# Altium PCB PCB1.pcbdoc (part 1 of 4) (continued)
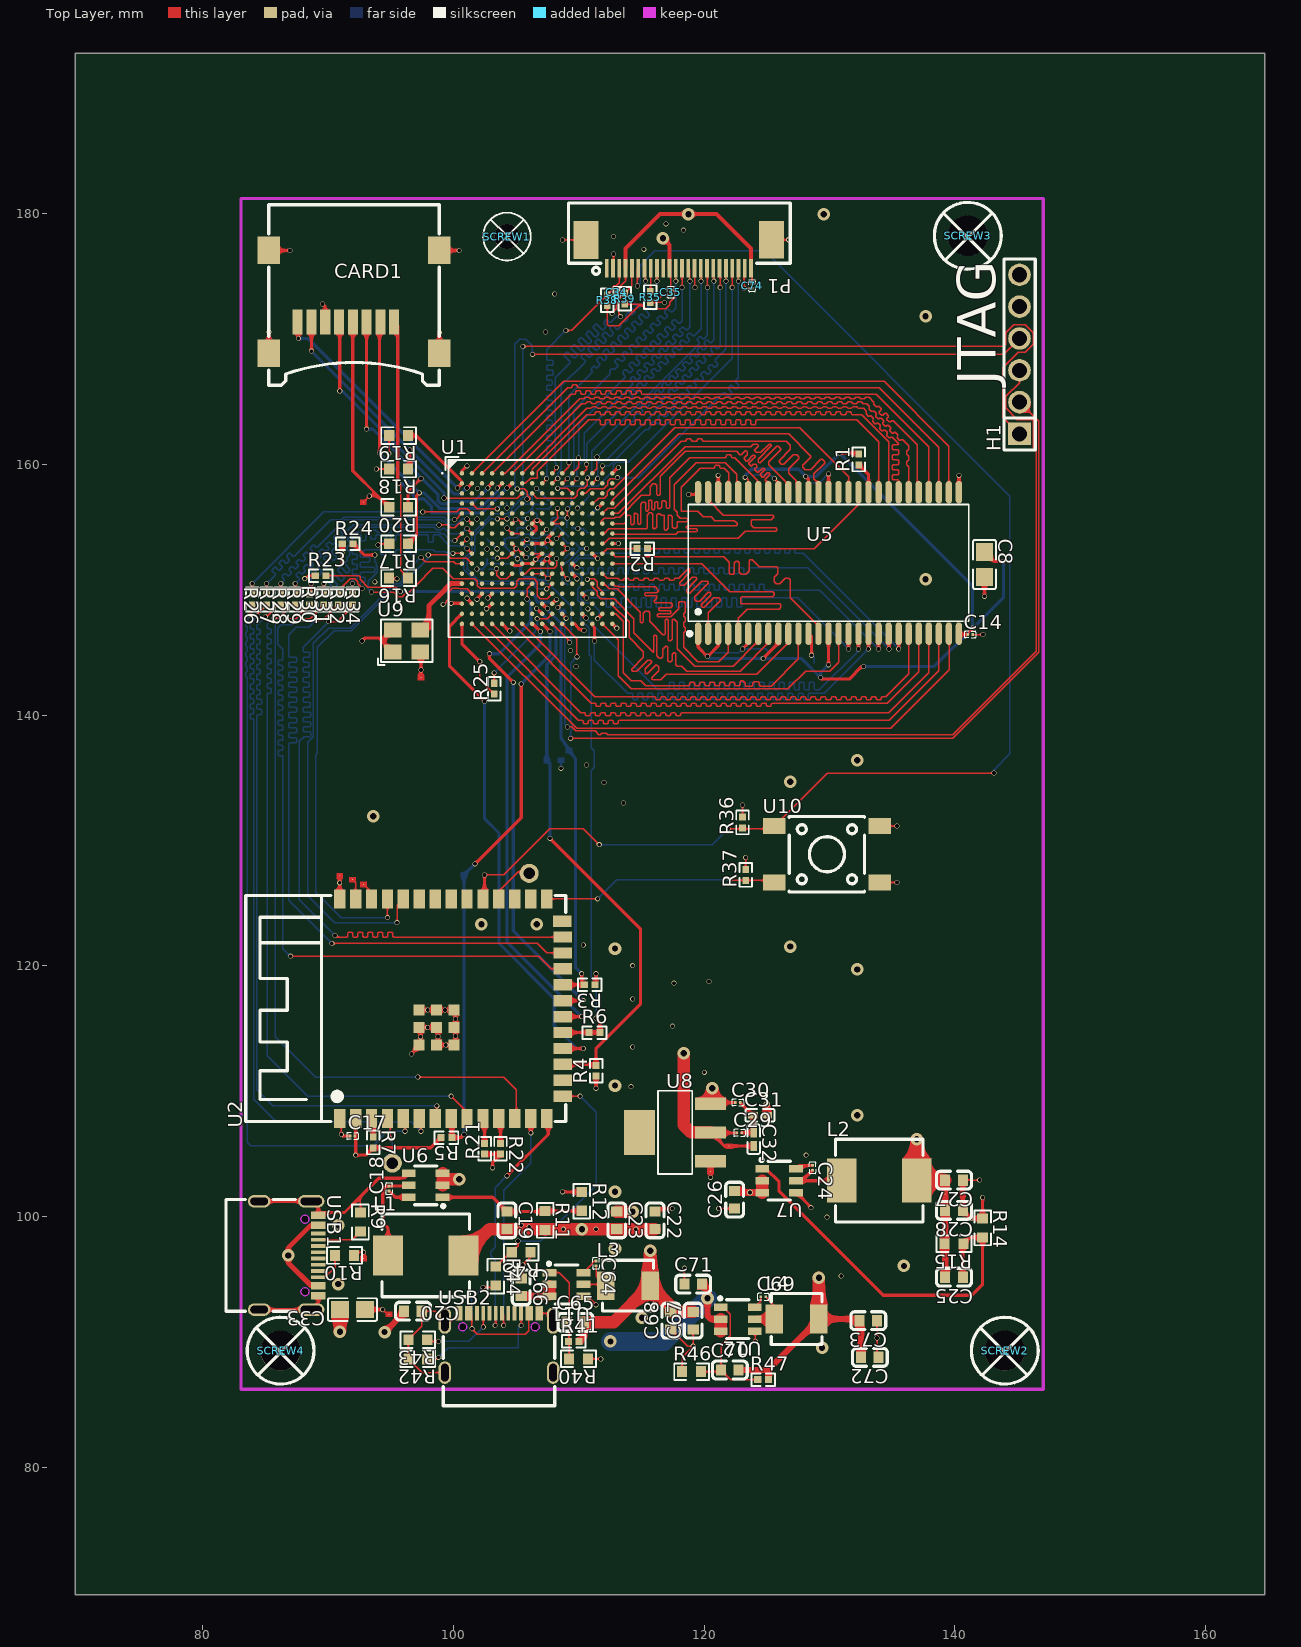
[diagram p0: Top Layer view]
## Components (designator, comment, footprint, x,y, rotation, side; value= is the part's Value field where it differs from the comment) (continued)
R5 "0402WGF1002TCE" R0402 99.441,106.299 r180 top
R6 "0402WGF330JTCE" R0402 111.252,114.681 r0 top
R7 "0402WGF1002TCE" R0402 93.599,105.918 r270 top
R9 "0603WAF5101T5E" R0603 92.583,99.568 r270 top
R10 "0603WAF5101T5E" R0603 91.313,96.901 r180 top
R11 "FRC0603F1963TS" R0603 107.315,99.695 r270 top
R12 "FRC0603F6202TS" R0603 110.236,101.219 r270 top
R14 "FRC0603F6202TS" R0603 142.219,99.099 r270 top
R15 "0603WAF2322T5E" R0603 139.933,97.829 r180 top
R16 "FRC0603F6202TS" R0603 95.627,150.952 r180 top
R17 "FRC0603F6202TS" R0603 95.631,153.67 r180 top
R18 "FRC0603F6202TS" R0603 95.631,159.639 r180 top
R19 "FRC0603F6202TS" R0603 95.631,162.306 r180 top
R20 "FRC0603F6202TS" R0603 95.631,156.591 r180 top
R21 "0402WGF1002TCE" R0402 102.489,105.41 r270 top
R22 "0402WGF1002TCE" R0402 103.759,105.41 r270 top
R23 "0402WGF1002TCE" R0402 89.408,151.13 r0 top
R24 "0402WGF1002TCE" R0402 91.567,153.67 r0 top
R25 "0402WGF1002TCE" R0402 103.251,142.113 r90 top
R26 "0402WGF330JTCE" R0402 83.947,149.225 r270 top
R27 "0402WGF330JTCE" R0402 85.09,149.225 r270 top
R28 "0402WGF330JTCE" R0402 86.233,149.225 r270 top
R29 "0402WGF330JTCE" R0402 87.376,149.225 r270 top
R30 "0402WGF330JTCE" R0402 88.519,149.225 r270 top
R31 "0402WGF330JTCE" R0402 89.662,149.225 r270 top
R32 "0402WGF330JTCE" R0402 90.805,149.225 r270 top
R34 "0402WGF330JTCE" R0402 91.948,149.225 r270 top
R35 "0402WGF1002TCE" R0402 115.697,173.355 r270 top
R36 "0402WGF1002TCE" R0402 123.063,131.445 r90 top
R37 "0402WGF1002TCE" R0402 123.317,127.254 r90 top
R38 "0402WGF1002TCE" R0402 112.268,173.101 r270 top
R39 "0402WGF1002TCE" R0402 113.665,173.228 r270 top
R40 "FRC0603F6202TS" R0603 109.982,88.646 r180 top
R41 "RC0402FR-07130KL" R0402 109.601,90.043 r0 top
R42 "0603WAF5101T5E" R0603 97.155,88.646 r180 top
R43 "0603WAF5101T5E" R0603 97.155,90.17 r180 top
R44 "FRC0603F1963TS" R0603 103.378,95.25 r270 top
R45 "FRC0603F1963TS" R0603 105.41,97.155 r180 top
R46 "FRC0603F6202TS" R0603 118.999,87.63 r0 top
R47 "0402WGF1543TCE" R0402 124.714,86.995 r0 top
SCREW1 "Screw-Hole-M2" Screw-Hole-M2 104.267,178.181 r0 top
SCREW2 "Screw-Hole-M3" Screw-Hole-M3 144.045,89.239 r0 top
SCREW3 "Screw-Hole-M3" Screw-Hole-M3 141.097,178.181 r0 top
SCREW4 "Screw-Hole-M3" Screw-Hole-M3 86.275,89.239 r0 top
U1 "LFE5U-25F-6BG256C" CABGA-256_L14.0-W14.0-R16-C16-P0.80-TL 106.68,153.289 r0 top
U2 "ESP32-S3-WROOM-1-N16R2" WIRELM-SMD_ESP32-S3-WROOM-1 99.822,116.586 r90 top
U5 "W9825G6KH-6" TSOP-54_L22.2-W10.2-P0.80-LS11.8-BL 129.921,152.146 r0 top
U6 "AP63200WU-7" SOT-23-6_L2.9-W1.6-P0.95-LS2.8-BR 97.79,102.489 r0 top
U7 "AP63200WU-7" SOT-23-6_L2.9-W1.6-P0.95-LS2.8-BR 125.984,102.87 r180 top
U8 "AMS1117-1.8_C6185" SOT-223-4_L6.5-W3.5-P2.30-LS7.0-BR 117.682,106.709 r0 top
U9 "XOS32024000LT00351005" OSC-SMD_4P-L3.2-W2.5-BL 96.266,145.923 r0 top
U10 "TPS645-5NC60" SW-SMD_4P-L6.0-W6.0-P4.50-LS9.2 129.794,128.905 r0 top
U11 "AP63200WU-7" SOT-23-6_L2.9-W1.6-P0.95-LS2.8-BR 109.019,94.587 r180 top
U12 "AP63200WU-7" SOT-23-6_L2.9-W1.6-P0.95-LS2.8-BR 122.682,91.821 r180 top
USB1 "TYPE-C16PIN" USB-C-SMD_TYPE-C16PIN#1 86.868,96.901 r270 top
USB2 "TYPE-C16PIN" USB-C-SMD_TYPE-C16PIN#2 103.632,89.916 r0 top

## Footprints (in the part's own frame and the unit in brackets; to place one, negate y for a bottom-side part, rotate by r counter-clockwise, add the part's x,y. Pads: shape width x height; smd on the part's side, far side on the other; paste and mask are expansions set on the pad)
C0402 [mm]
  rect 0.79x0.54 smd: 1(-0.545,0) 2(0.545,0)
  silkscreen extent -1.17,-0.5 1.17,0.5
C0603 [mm]
  rect 0.8x0.9 smd: 1(-0.7,0) 2(0.7,0)
  silkscreen extent -1.39,-0.71 1.39,0.71
C0805 [mm]
  rect 1.41x1.35 smd: 1(-1,0) 2(1,0)
  silkscreen extent -1.96,-0.9 1.96,0.9
C01005 [mm]
  rect 0.21x0.22 smd: 1(-0.195,0) 2(0.195,0)
  silkscreen extent -0.46,-0.27 0.46,0.27
CABGA-256_L14.0-W14.0-R16-C16-P0.80-TL [mm]
  round 0.36 smd: A1(-6,6) A2(-5.2,6) A3(-4.4,6) A4(-3.6,6) A5(-2.8,6) A6(-2,6) A7(-1.2,6) A8(-0.4,6) A9(0.4,6) A10(1.2,6) A11(2,6) A12(2.8,6) A13(3.6,6) A14(4.4,6) A15(5.2,6) A16(6,6) B1(-6,5.2) B2(-5.2,5.2) B3(-4.4,5.2) B4(-3.6,5.2) B5(-2.8,5.2) B6(-2,5.2) B7(-1.2,5.2) B8(-0.4,5.2) B9(0.4,5.2) B10(1.2,5.2) B11(2,5.2) B12(2.8,5.2) B13(3.6,5.2) B14(4.4,5.2) B15(5.2,5.2) B16(6,5.2) C1(-6,4.4) C2(-5.2,4.4) C3(-4.4,4.4) C4(-3.6,4.4) C5(-2.8,4.4) C6(-2,4.4) C7(-1.2,4.4) C8(-0.4,4.4) C9(0.4,4.4) C10(1.2,4.4) C11(2,4.4) C12(2.8,4.4) C13(3.6,4.4) C14(4.4,4.4) C15(5.2,4.4) C16(6,4.4) D1(-6,3.6) D2(-5.2,3.6) D3(-4.4,3.6) D4(-3.6,3.6) D5(-2.8,3.6) D6(-2,3.6) D7(-1.2,3.6) D8(-0.4,3.6) D9(0.4,3.6) D10(1.2,3.6) D11(2,3.6) D12(2.8,3.6) D13(3.6,3.6) D14(4.4,3.6) D15(5.2,3.6) D16(6,3.6) E1(-6,2.8) E2(-5.2,2.8) E3(-4.4,2.8) E4(-3.6,2.8) E5(-2.8,2.8) E6(-2,2.8) E7(-1.2,2.8) E8(-0.4,2.8) E9(0.4,2.8) E10(1.2,2.8) E11(2,2.8) E12(2.8,2.8) E13(3.6,2.8) E14(4.4,2.8) E15(5.2,2.8) E16(6,2.8) F1(-6,2) F2(-5.2,2) F3(-4.4,2) F4(-3.6,2) F5(-2.8,2) F6(-2,2) F7(-1.2,2) F8(-0.4,2) F9(0.4,2) F10(1.2,2) F11(2,2) F12(2.8,2) F13(3.6,2) F14(4.4,2) F15(5.2,2) F16(6,2) G1(-6,1.2) G2(-5.2,1.2) G3(-4.4,1.2) G4(-3.6,1.2) G5(-2.8,1.2) G6(-2,1.2) G7(-1.2,1.2) G8(-0.4,1.2) G9(0.4,1.2) G10(1.2,1.2) G11(2,1.2) G12(2.8,1.2) G13(3.6,1.2) G14(4.4,1.2) G15(5.2,1.2) G16(6,1.2) H1(-6,0.4) H2(-5.2,0.4) H3(-4.4,0.4) H4(-3.6,0.4) H5(-2.8,0.4) H6(-2,0.4) H7(-1.2,0.4) H8(-0.4,0.4) H9(0.4,0.4) H10(1.2,0.4) H11(2,0.4) H12(2.8,0.4) H13(3.6,0.4) H14(4.4,0.4) H15(5.2,0.4) H16(6,0.4) J1(-6,-0.4) J2(-5.2,-0.4) J3(-4.4,-0.4) J4(-3.6,-0.4) J5(-2.8,-0.4) J6(-2,-0.4) J7(-1.2,-0.4) J8(-0.4,-0.4) J9(0.4,-0.4) J10(1.2,-0.4) J11(2,-0.4) J12(2.8,-0.4) J13(3.6,-0.4) J14(4.4,-0.4) J15(5.2,-0.4) J16(6,-0.4) K1(-6,-1.2) K2(-5.2,-1.2) K3(-4.4,-1.2) K4(-3.6,-1.2) K5(-2.8,-1.2) K6(-2,-1.2) K7(-1.2,-1.2) K8(-0.4,-1.2) K9(0.4,-1.2) K10(1.2,-1.2) K11(2,-1.2) K12(2.8,-1.2) K13(3.6,-1.2) K14(4.4,-1.2) K15(5.2,-1.2) K16(6,-1.2) L1(-6,-2) L2(-5.2,-2) L3(-4.4,-2) L4(-3.6,-2) L5(-2.8,-2) L6(-2,-2) L7(-1.2,-2) L8(-0.4,-2) L9(0.4,-2) L10(1.2,-2) L11(2,-2) L12(2.8,-2) L13(3.6,-2) L14(4.4,-2) L15(5.2,-2) L16(6,-2) M1(-6,-2.8) M2(-5.2,-2.8) M3(-4.4,-2.8) M4(-3.6,-2.8) M5(-2.8,-2.8) M6(-2,-2.8) M7(-1.2,-2.8) M8(-0.4,-2.8) M9(0.4,-2.8) M10(1.2,-2.8) M11(2,-2.8) M12(2.8,-2.8) M13(3.6,-2.8) M14(4.4,-2.8) M15(5.2,-2.8) M16(6,-2.8) N1(-6,-3.6) N2(-5.2,-3.6) N3(-4.4,-3.6) N4(-3.6,-3.6) N5(-2.8,-3.6) N6(-2,-3.6) N7(-1.2,-3.6) N8(-0.4,-3.6) N9(0.4,-3.6) N10(1.2,-3.6) N11(2,-3.6) N12(2.8,-3.6) N13(3.6,-3.6) N14(4.4,-3.6) N15(5.2,-3.6) N16(6,-3.6) P1(-6,-4.4) P2(-5.2,-4.4) P3(-4.4,-4.4) P4(-3.6,-4.4) P5(-2.8,-4.4) P6(-2,-4.4) P7(-1.2,-4.4) P8(-0.4,-4.4) P9(0.4,-4.4) P10(1.2,-4.4) P11(2,-4.4) P12(2.8,-4.4) P13(3.6,-4.4) P14(4.4,-4.4) P15(5.2,-4.4) P16(6,-4.4) R1(-6,-5.2) R2(-5.2,-5.2) R3(-4.4,-5.2) R4(-3.6,-5.2) R5(-2.8,-5.2) R6(-2,-5.2) R7(-1.2,-5.2) R8(-0.4,-5.2) R9(0.4,-5.2) R10(1.2,-5.2) R11(2,-5.2) R12(2.8,-5.2) R13(3.6,-5.2) R14(4.4,-5.2) R15(5.2,-5.2) R16(6,-5.2) T1(-6,-6) T2(-5.2,-6) T3(-4.4,-6) T4(-3.6,-6) T5(-2.8,-6) T6(-2,-6) T7(-1.2,-6) T8(-0.4,-6) T9(0.4,-6) T10(1.2,-6) T11(2,-6) T12(2.8,-6) T13(3.6,-6) T14(4.4,-6) T15(5.2,-6) T16(6,-6)
  silkscreen extent -7.63,-7.08 7.08,7.3
FPC-SMD_AFC07-S24FCC-00 [mm]
  rect 0.3x1.5 smd: 1(5.745,1.129) 2(5.245,1.129) 3(4.746,1.129) 4(4.245,1.129) 5(3.746,1.129) 6(3.245,1.129) 7(2.746,1.129) 8(2.245,1.129) 9(1.746,1.129) 10(1.245,1.129) 11(0.746,1.129) 12(0.245,1.129) 13(-0.254,1.129) 14(-0.755,1.129) 15(-1.251,1.13) 16(-1.754,1.13) 17(-2.254,1.128) 18(-2.754,1.129) 19(-3.254,1.129) 20(-3.756,1.132) 21(-4.256,1.132) 22(-4.756,1.132) 23(-5.256,1.132) 24(-5.756,1.132)
  rect 2x3 smd: 25(-7.401,-1.132) 26(7.401,-1.125)
  silkscreen extent -8.89,-4.07 8.8,1.61
HDR-TH_6P-P2.54-V-M-1 [mm]
  rect 1.8x1.8 hole 1.2: 1(-6.35,0)
  round 1.8 hole 1.2: 2(-3.81,0) 3(-1.27,0) 4(1.27,0) 5(3.81,0) 6(6.35,0)
  silkscreen extent -7.62,-1.25 7.62,1.25
IND-SMD_L4.5-W4.1_SL0420 [mm]
  rect 1.4x2.3 smd: 1(-1.775,0) 2(1.775,0)
  silkscreen extent -2.03,-2.03 2.03,2.03
IND-SMD_L7.0-W6.6 [mm]
  rect 2.4x3.2 smd: 1(-3,0) 2(3,0)
  silkscreen extent -3.5,-3.3 3.5,3.3
IND-SMD_L7.3-W6.8 [mm]
  rect 2.35x3.5 smd: 1(-3,0) 2(3,0)
  silkscreen extent -3.5,-3.3 3.5,3.3
OSC-SMD_4P-L3.2-W2.5-BL [mm]
  rect 1.4x1.2 smd: 1(-1.1,-0.875) 2(1.1,-0.875) 3(1.1,0.875) 4(-1.1,0.875)
  silkscreen extent -2.29,-1.9 2.07,1.72
R0402 [mm]
  rect 0.566x0.54 smd: 1(-0.433,0) 2(0.433,0)
  silkscreen extent -0.94,-0.5 0.94,0.5
R0603 [mm]
  rect 0.806x0.864 smd: 1(-0.753,0) 2(0.753,0)
  silkscreen extent -1.39,-0.66 1.39,0.66
Screw-Hole-M2 [mm]
  round 2 hole 2: 1(0,0)
  silkscreen extent -1.9,-1.9 1.9,1.9
Screw-Hole-M3 [mil]
  round 126 hole 126: 1(-2.5,2.5)
  silkscreen extent -107,-102 102,107
SOT-23-6_L2.9-W1.6-P0.95-LS2.8-BR [mm]
  rect 1.1x0.6 smd: 1(1.35,-0.95) 2(1.35,0) 3(1.35,0.95) 4(-1.35,0.95) 5(-1.35,0) 6(-1.35,-0.95)
  silkscreen extent -0.9,-1.78 1.52,1.55
SOT-223-4_L6.5-W3.5-P2.30-LS7.0-BR [mm]
  rect 2.47x0.98 smd: 1(2.835,-2.3) 2(2.835,0) 3(2.835,2.3)
  rect 2.47x3.6 smd: 4(-2.835,0)
  silkscreen extent -1.37,-3.33 1.37,3.33
SW-SMD_4P-L6.0-W6.0-P4.50-LS9.2 [mm]
  rect 1.8x1.3 smd: 1(-4.2,2.25) 2(4.2,2.25) 3(-4.2,-2.25) 4(4.2,-2.25)
  silkscreen extent -3,-3 3,3
TF-SMD_DS1139-06-08SS4BSR [mm]
  rect 0.8x2 smd: 1(3.2,-1.6) 2(2.1,-1.6) 3(1,-1.6) 4(-0.1,-1.6) 5(-1.2,-1.6) 6(-2.3,-1.6) 7(-3.4,-1.6) 8(-4.5,-1.6)
  rect 1.8x2.2 smd: 9(-6.8,4.1) 10(-6.8,-4.1) 11(6.8,-4.1) 12(6.8,4.1)
  silkscreen extent -6.8,-6.65 6.8,7.75
TSOP-54_L22.2-W10.2-P0.80-LS11.8-BL [mm]
  oval 0.5x1.8 smd: 1(-10.4,-5.642) 2(-9.6,-5.642) 3(-8.8,-5.642) 4(-8,-5.642) 5(-7.2,-5.642) 6(-6.4,-5.642) 7(-5.6,-5.642) 8(-4.8,-5.642) 9(-4,-5.642) 10(-3.2,-5.642) 11(-2.4,-5.642) 12(-1.6,-5.642) 13(-0.8,-5.642) 14(0,-5.642) 15(0.8,-5.642) 16(1.6,-5.642) 17(2.4,-5.642) 18(3.2,-5.642) 19(4,-5.642) 20(4.8,-5.642) 21(5.6,-5.642) 22(6.4,-5.642) 23(7.2,-5.642) 24(8,-5.642) 25(8.8,-5.642) 26(9.6,-5.642) 27(10.4,-5.642) 28(10.4,5.642) 29(9.6,5.642) 30(8.8,5.642) 31(8,5.642) 32(7.2,5.642) 33(6.4,5.642) 34(5.6,5.642) 35(4.8,5.642) 36(4,5.642) 37(3.2,5.642) 38(2.4,5.642) 39(1.6,5.642) 40(0.8,5.642) 41(0,5.642) 42(-0.8,5.642) 43(-1.6,5.642) 44(-2.4,5.642) 45(-3.2,5.642) 46(-4,5.642) 47(-4.8,5.642) 48(-5.6,5.642) 49(-6.4,5.642) 50(-7.2,5.642) 51(-8,5.642) 52(-8.8,5.642) 53(-9.6,5.642) 54(-10.4,5.642)
  silkscreen extent -11.23,-5.79 11.19,4.65
USB-C-SMD_TYPE-C16PIN#1 [mm]
  oval 1x2.1 hole 0.6 slot 1.7 at 90 deg: 1(-4.32,1.787) 2(4.32,1.787)
  oval 1x1.8 hole 0.6 slot 1.4 at 90 deg: 3(-4.32,-2.362) 4(4.32,-2.362)
  rect 0.6x1.15 smd: A1B12(-3.2,2.362) A4B9(-2.4,2.362) B1A12(3.2,2.362) B4A9(2.4,2.362)
  rect 0.3x1.15 smd: A5(-1.25,2.362) A6(-0.25,2.362) A7(0.25,2.362) A8(1.25,2.362) B5(1.75,2.362) B6(0.75,2.362) B7(-0.75,2.362) B8(-1.75,2.362)
  Board Outline Layer circle w0.005: c2.89,1.288 r0.325
  Board Outline Layer circle w0.005: c-2.89,1.288 r0.325
  Board Outline Layer region: 2.89,1.613 3.031,1.581 3.144,1.491 3.207,1.36 3.207,1.216 3.144,1.085 3.031,0.995 2.89,0.963 2.89,0.963 2.749,0.995 2.636,1.085 2.573,1.216 2.573,1.36 2.636,1.491 2.749,1.581 2.89,1.613
  Board Outline Layer region: -2.89,1.613 -2.749,1.581 -2.636,1.491 -2.573,1.36 -2.573,1.216 -2.636,1.085 -2.749,0.995 -2.89,0.963 -2.89,0.963 -3.031,0.995 -3.144,1.085 -3.207,1.216 -3.207,1.36 -3.144,1.491 -3.031,1.581 -2.89,1.613
  Multi-Layer board cut-out: 2.89,1.613 3.031,1.581 3.144,1.491 3.207,1.36 3.207,1.216 3.144,1.085 3.031,0.995 2.89,0.963 2.89,0.963 2.749,0.995 2.636,1.085 2.573,1.216 2.573,1.36 2.636,1.491 2.749,1.581 2.89,1.613
  Multi-Layer board cut-out: -2.89,1.613 -2.749,1.581 -2.636,1.491 -2.573,1.36 -2.573,1.216 -2.636,1.085 -2.749,0.995 -2.89,0.963 -2.89,0.963 -3.031,0.995 -3.144,1.085 -3.207,1.216 -3.207,1.36 -3.144,1.491 -3.031,1.581 -2.89,1.613
  silkscreen extent -4.45,-5 4.45,0.52
USB-C-SMD_TYPE-C16PIN#2 [mm]
  oval 1x2.1 hole 0.6 slot 1.7 at 90 deg: 1(-4.32,1.787) 2(4.32,1.787)
  oval 1x1.8 hole 0.6 slot 1.4 at 90 deg: 3(-4.32,-2.362) 4(4.32,-2.362)
  rect 0.6x1.15 smd: A1B12(-3.2,2.362) A4B9(-2.4,2.362) B1A12(3.2,2.362) B4A9(2.4,2.362)
  rect 0.3x1.15 smd: A5(-1.25,2.362) A6(-0.25,2.362) A7(0.25,2.362) A8(1.25,2.362) B5(1.75,2.362) B6(0.75,2.362) B7(-0.75,2.362) B8(-1.75,2.362)
  Board Outline Layer circle w0.005: c2.89,1.288 r0.325
  Board Outline Layer circle w0.005: c-2.89,1.288 r0.325
  Board Outline Layer region: 3.215,1.288 3.183,1.147 3.093,1.034 2.962,0.971 2.818,0.971 2.687,1.034 2.597,1.147 2.565,1.288 2.565,1.288 2.597,1.429 2.687,1.542 2.818,1.605 2.962,1.605 3.093,1.542 3.183,1.429 3.215,1.288
  Board Outline Layer region: -2.565,1.288 -2.597,1.147 -2.687,1.034 -2.818,0.971 -2.962,0.971 -3.093,1.034 -3.183,1.147 -3.215,1.288 -3.215,1.288 -3.183,1.429 -3.093,1.542 -2.962,1.605 -2.818,1.605 -2.687,1.542 -2.597,1.429 -2.565,1.288
  Multi-Layer board cut-out: 3.215,1.288 3.183,1.147 3.093,1.034 2.962,0.971 2.818,0.971 2.687,1.034 2.597,1.147 2.565,1.288 2.565,1.288 2.597,1.429 2.687,1.542 2.818,1.605 2.962,1.605 3.093,1.542 3.183,1.429 3.215,1.288
  Multi-Layer board cut-out: -2.565,1.288 -2.597,1.147 -2.687,1.034 -2.818,0.971 -2.962,0.971 -3.093,1.034 -3.183,1.147 -3.215,1.288 -3.215,1.288 -3.183,1.429 -3.093,1.542 -2.962,1.605 -2.818,1.605 -2.687,1.542 -2.597,1.429 -2.565,1.288
  silkscreen extent -4.45,-5 4.45,0.52
WIRELM-SMD_ESP32-S3-WROOM-1 [mm]
  rect 1.5x0.9 smd: 1(-8.75,8.895) 2(-8.75,7.625) 3(-8.75,6.355) 4(-8.75,5.085) 5(-8.75,3.815) 6(-8.75,2.545) 7(-8.75,1.275) 8(-8.75,0.005) 9(-8.75,-1.265) 10(-8.75,-2.535) 11(-8.75,-3.805) 12(-8.75,-5.075) 13(-8.75,-6.345) 14(-8.75,-7.615) 27(8.75,-7.615) 28(8.75,-6.345) 29(8.75,-5.075) 30(8.75,-3.805) 31(8.75,-2.535) 32(8.75,-1.265) 33(8.75,0.005) 34(8.75,1.275) 35(8.75,2.545) 36(8.75,3.815) 37(8.75,5.085) 38(8.75,6.355) 39(8.75,7.625) 40(8.75,8.895)
  rect 0.9x1.5 smd: 15(-6.985,-8.895) 16(-5.715,-8.895) 17(-4.445,-8.895) 18(-3.175,-8.895) 19(-1.905,-8.895) 20(-0.635,-8.895) 21(0.635,-8.895) 22(1.905,-8.895) 23(3.175,-8.895) 24(4.445,-8.895) 25(5.715,-8.895) 26(6.985,-8.865)
  rect 0.9x0.9 smd: 41(-2.9,-0.225) 41(-2.9,1.175) 41(-2.9,2.575) 41(-1.5,2.575) 41(-1.5,-0.225) 41(-1.5,1.175) 41(-0.1,2.575) 41(-0.1,1.175) 41(-0.1,-0.225)
  silkscreen extent -9,-9.14 9.02,16.39

## Free pads (board coordinates)
  round 1.524 hole 0.914: 1(95.123,104.267) 1(106.045,127.381)
  round 0.08 smd: 55(90.927,127.195) 55(91.948,126.873) 55(92.806,156.993) 55(92.837,96.647) 55(92.837,126.492) 55(94.869,92.202) 55(97.409,143.002) 55(120.517,103.597) 55(121.997,105.627) 55(139.233,101.796) 55(140.633,101.756)
  round 0.08 smd far side: 55(100.838,127.254) 55(107.442,136.377) 55(108.585,136.398) 55(108.712,148.209) 55(109.22,137.16)

## Via types
v1: diameter 0.4, hole 0.3, Top Layer to Bottom Layer, 308 vias
v2: diameter 1, hole 0.5, Top Layer to Bottom Layer, 35 vias
v3: diameter 0.5, hole 0.3, Top Layer to Bottom Layer, 2 vias

## Nets (pads, with @x,y where several pads share a name; then routed paths per layer and width w, separated by ;. In a path a pad name is that pad's centre, name@x,y a point inside that pad or via, vN(x,y) a via of type N, cw(c..) or ccw(c..) an arc to the next point about the centre after c; other vN are vias at no path point)
$1N9437: R1.1 U5.37 | length 2.5
  Top Layer w0.254: R1.1@132.334,159.968 133.121,159.181 U5.37@133.121,157.788
$1N11348: R2.1 U5.38 | length 19.3
  Top Layer w0.1: R2.1@115.495,153.289 128.778,153.289 132.334,156.845 132.334,157.775 U5.38@132.321,157.788
$1N11975: R7.1 U2.3 | length 1.5
  Top Layer w0.254: U2.3@93.594,107.836 93.599,107.831 R7.1@93.599,106.351
$1N12553: R10.2 USB1.B5 | length 2.6
  Top Layer w0.1: USB1.B5@89.23,95.151 89.741,95.151 90.56,95.97 R10.2@90.56,96.901
$1N12557: R9.2 USB1.A5 | length 3.6
  Top Layer w0.1: USB1.A5@89.23,98.151 91.919,98.151 R9.2@92.583,98.815
$1N14416: C18.2 L1.1 U6.5 | length 7.6
  Top Layer w0.254: L1.1@94.79,96.901 94.79,99.06 94.361,99.489 94.361,102.141 94.643,102.424 94.863,102.424 C18.2@94.869,102.43 96.381,102.43 U6.5@96.44,102.489
$1N14459: C18.1 U6.6 | length 1.8
  Top Layer w0.254: C18.1@94.869,102.04 95.37,101.539 U6.6@96.44,101.539
$1N14567: C19.1 R11.1 R12.2 U6.1 | length 11.6
  Top Layer w0.254: U6.1@99.14,101.539 103.123,101.539 C19.1@104.267,100.395 107.262,100.395 R11.1@107.315,100.448 110.219,100.448 R12.2@110.236,100.466
$1N16832: C24.2 L2.1 U7.5 | length 5.3
  Top Layer w0.254: C24.2@128.651,103.691 127.83,102.87 U7.5@127.334,102.87 127.34,102.864 L2.1@130.969,102.864
$1N16833: C24.1 U7.6 | length 1.4
  Top Layer w0.254: U7.6@127.334,103.82 127.589,104.075 128.645,104.075 C24.1@128.651,104.081
$1N16834: C25.1 R14.2 R15.1 U7.1 | length 30.7
  Top Layer w0.254: U7.1@124.634,103.82 124.929,103.82 125.984,102.765 125.984,102.025 134.283,93.726 141.351,93.726 142.219,94.594 R14.2@142.219,98.346 141.203,98.346 R15.1@140.687,97.829 140.633,97.776 C25.1@140.633,95.162
$1N17349: C29.2 C30.2 C31.1 C32.1 | length 3.8
  Top Layer w0.254: C30.2@122.877,109.093 123.952,108.018 C32.1@123.952,106.717 123.041,106.717 C29.2@123.004,106.68
$1N29790: R26.2 U2.5 | length 57.9
  Top Layer w0.1: v1(83.685,147.955) 83.947,148.217 R26.2@83.947,148.792 ; U2.5@96.134,107.836 96.139,107.831 v1(96.139,106.807)
  Bottom Layer w0.1: v1(83.685,147.955) 83.566,147.836 83.566,147.523 83.437,147.395 83.437,147.123 83.566,146.995 83.566,146.723 83.437,146.595 83.437,146.323 83.566,146.195 83.566,145.923 83.437,145.795 83.437,145.523 83.566,145.395 83.566,145.123 83.437,144.995 83.437,144.723 83.566,144.595 83.566,144.323 83.437,144.195 83.437,143.923 83.566,143.795 83.566,143.523 83.437,143.395 83.437,143.123 83.566,142.995 83.566,105.918 83.82,105.664 93.598,105.664 94.741,106.807 v1(96.139,106.807)
$1N29833: R27.2 U2.6 | length 59.2
  Top Layer w0.1: v1(84.364,147.919) 84.364,148.066 R27.2@85.09,148.792 ; v1(97.404,106.807) U2.6@97.404,107.836
  Bottom Layer w0.1: v1(84.364,147.919) 84.074,147.629 84.074,147.358 84.003,147.287 83.866,147.287 83.795,147.217 83.795,146.958 83.866,146.887 84.003,146.887 84.074,146.817 84.074,146.558 84.003,146.487 83.866,146.487 83.795,146.417 83.795,146.158 83.866,146.087 84.003,146.087 84.074,146.017 84.074,145.758 84.003,145.687 83.866,145.687 83.795,145.617 83.795,145.358 83.866,145.287 84.003,145.287 84.074,145.217 84.074,144.958 84.003,144.887 83.866,144.887 83.795,144.817 83.795,144.558 83.866,144.487 84.003,144.487 84.074,144.417 84.074,144.158 84.003,144.087 83.866,144.087 83.795,144.017 83.795,143.758 83.866,143.687 84.003,143.687 84.074,143.617 84.074,143.358 84.003,143.287 83.866,143.287 83.795,143.217 83.795,142.958 83.866,142.887 84.003,142.887 84.074,142.817 84.074,142.558 84.003,142.487 83.866,142.487 83.795,142.417 83.795,142.158 83.866,142.087 84.003,142.087 84.074,142.017 84.074,141.794 84.003,141.723 83.866,141.723 83.795,141.653 83.795,141.394 83.866,141.323 84.003,141.323 84.074,141.253 84.074,140.994 84.003,140.923 83.866,140.923 83.795,140.853 83.795,140.594 83.866,140.523 84.003,140.523 84.074,140.453 84.074,140.194 84.003,140.123 83.866,140.123 83.795,140.053 83.795,139.794 83.866,139.723 84.003,139.723 84.074,139.653 84.074,109.347 85.852,107.569 96.642,107.569 v1(97.404,106.807)
$1N29916: R29.2 U2.9 | length 59.1
  Top Layer w0.1: v1(85.675,147.751) 86.03,147.751 87.072,148.792 R29.2@87.376,148.792 ; v1(99.822,109.601) 101.214,108.209 U2.9@101.214,107.836
  Bottom Layer w0.1: v1(85.675,147.751) 85.473,147.549 85.417,147.549 85.144,147.276 85.144,146.979 85.215,146.909 85.4,146.909 85.471,146.838 85.471,146.579 85.4,146.509 85.215,146.509 85.144,146.438 85.144,146.179 85.215,146.109 85.4,146.109 85.471,146.038 85.471,145.779 85.4,145.709 85.215,145.709 85.144,145.638 85.144,145.379 85.215,145.309 85.4,145.309 85.471,145.238 85.471,144.979 85.4,144.909 85.215,144.909 85.144,144.838 85.144,144.579 85.215,144.509 85.4,144.509 85.471,144.438 85.471,144.179 85.4,144.109 85.215,144.109 85.144,144.038 85.144,143.779 85.215,143.709 85.4,143.709 85.471,143.638 85.471,143.379 85.4,143.309 85.215,143.309 85.144,143.238 85.144,143.024 85.215,142.954 85.4,142.954 85.471,142.883 85.471,142.624 85.4,142.554 85.215,142.554 85.144,142.483 85.144,142.224 85.215,142.154 85.4,142.154 85.471,142.083 85.471,141.824 85.4,141.754 85.215,141.754 85.144,141.683 85.144,112.849 88.392,109.601 v1(99.822,109.601)
$1N29959: R30.2 U2.12 | length 59.5
  Top Layer w0.1: v1(86.614,147.701) 87.428,147.701 R30.2@88.519,148.792 ; v1(97.155,111.125) 104.013,111.125 105.024,110.114 U2.12@105.024,107.836
  Bottom Layer w0.1: v1(86.614,147.701) 86.194,147.701 85.842,147.349 85.842,147.339 85.798,147.295 85.798,114.354 89.027,111.125 v1(97.155,111.125)
$1N30002: R31.2 U2.23 | length 58.9
  Top Layer w0.1: v1(86.995,120.777) 106.807,120.777 107.823,119.761 U2.23@108.717,119.761 ; v1@87.884,147.701 88.571,147.701 R31.2@89.662,148.792
  Bottom Layer w0.1: v1(86.995,120.777) 86.399,121.373 86.399,136.711 86.328,136.782 86.098,136.782 86.027,136.852 86.027,137.111 86.098,137.182 86.328,137.182 86.399,137.252 86.399,137.511 86.328,137.582 86.098,137.582 86.027,137.652 86.027,137.911 86.098,137.982 86.328,137.982 86.399,138.052 86.399,138.311 86.328,138.382 86.098,138.382 86.027,138.452 86.027,138.711 86.098,138.782 86.328,138.782 86.399,138.852 86.399,139.111 86.328,139.182 86.098,139.182 86.027,139.252 86.027,139.511 86.098,139.582 86.328,139.582 86.399,139.652 86.399,139.911 86.328,139.982 86.098,139.982 86.027,140.052 86.027,140.311 86.098,140.382 86.328,140.382 86.399,140.452 86.399,140.711 86.328,140.782 86.098,140.782 86.027,140.852 86.027,141.111 86.098,141.182 86.328,141.182 86.399,141.252 86.399,141.511 86.328,141.582 86.098,141.582 86.027,141.652 86.027,141.911 86.098,141.982 86.328,141.982 86.399,142.052 86.399,142.311 86.328,142.382 86.098,142.382 86.027,142.452 86.027,142.711 86.098,142.782 86.328,142.782 86.399,142.852 86.399,143.111 86.328,143.182 86.098,143.182 86.027,143.252 86.027,143.511 86.098,143.582 86.328,143.582 86.399,143.652 86.399,143.911 86.328,143.982 86.098,143.982 86.027,144.052 86.027,144.311 86.098,144.382 86.328,144.382 86.399,144.452 86.399,145.249 85.998,145.65 85.998,146.933 86.277,147.212 87.126,147.212 87.559,147.645 v1(87.94,147.645)
$1N30085: R34.2 U2.25 | length 59.4
  Top Layer w0.1: v1@90.043,147.447 90.73,147.447 91.948,148.665 R34.2@91.948,148.792 ; v1(90.551,122.428) 90.678,122.301 91.486,122.301 91.557,122.372 91.557,122.611 91.628,122.682 91.886,122.682 91.957,122.611 91.957,122.372 92.028,122.301 92.286,122.301 92.357,122.372 92.357,122.611 92.428,122.682 92.686,122.682 92.757,122.611 92.757,122.372 92.828,122.301 93.086,122.301 93.157,122.372 93.157,122.611 93.228,122.682 93.486,122.682 93.557,122.611 93.557,122.372 93.628,122.301 93.886,122.301 93.957,122.372 93.957,122.611 94.028,122.682 94.286,122.682 94.357,122.611 94.357,122.372 94.428,122.301 94.686,122.301 94.757,122.372 94.757,122.611 94.828,122.682 95.086,122.682 95.157,122.611 95.157,122.372 95.228,122.301 U2.25@108.717,122.301
  Bottom Layer w0.1: v1(90.036,147.454) 88.011,145.43 88.011,145.109 88.082,145.038 88.448,145.038 88.519,144.968 88.519,144.709 88.448,144.638 88.082,144.638 88.011,144.568 88.011,144.309 88.082,144.238 88.438,144.238 88.509,144.168 88.509,143.909 88.438,143.838 88.082,143.838 88.011,143.768 88.011,143.509 88.082,143.438 88.447,143.438 88.518,143.368 88.518,143.109 88.447,143.038 88.082,143.038 88.011,142.968 88.011,142.709 88.082,142.638 88.438,142.638 88.509,142.568 88.509,142.309 88.438,142.238 88.082,142.238 88.011,142.168 88.011,141.909 88.082,141.838 88.483,141.838 88.553,141.768 88.553,141.509 88.483,141.438 88.082,141.438 88.011,141.368 88.011,141.109 88.082,141.038 88.51,141.038 88.58,140.968 88.58,140.709 88.51,140.638 88.082,140.638 88.011,140.568 88.011,140.309 88.082,140.238 88.555,140.238 88.625,140.168 88.625,139.909 88.555,139.838 88.082,139.838 88.011,139.768 88.011,139.554 88.082,139.483 88.561,139.483 88.632,139.412 88.632,139.154 88.561,139.083 88.082,139.083 88.011,139.012 88.011,138.754 88.082,138.683 88.561,138.683 88.632,138.612 88.632,138.354 88.561,138.283 88.082,138.283 87.703,137.904 87.703,125.276 v1(90.551,122.428)
$1N30089: R32.2 U2.24 | length 59.6
  Top Layer w0.1: v1(89.027,147.574) 89.587,147.574 R32.2@90.805,148.792 ; v1(90.297,121.793) 106.68,121.793 107.442,121.031 U2.24@108.717,121.031
  Bottom Layer w0.1: v1(89.027,147.574) 88.465,147.012 87.464,147.012 86.868,146.416 86.868,144.684 86.939,144.614 87.432,144.614 87.503,144.543 87.503,144.284 87.432,144.214 86.939,144.214 86.868,144.143 86.868,143.884 86.939,143.814 87.432,143.814 87.503,143.743 87.503,143.484 87.432,143.414 86.939,143.414 86.868,143.343 86.868,143.084 86.939,143.014 87.432,143.014 87.503,142.943 87.503,142.684 87.432,142.614 86.939,142.614 86.868,142.543 86.868,142.284 86.939,142.214 87.432,142.214 87.503,142.143 87.503,141.884 87.432,141.814 86.939,141.814 86.868,141.743 86.868,141.484 86.939,141.414 87.432,141.414 87.503,141.343 87.503,141.084 87.432,141.014 86.939,141.014 86.868,140.943 86.868,140.684 86.939,140.614 87.432,140.614 87.503,140.543 87.503,140.284 87.432,140.214 86.939,140.214 86.868,140.143 86.868,139.884 86.939,139.814 87.432,139.814 87.503,139.743 87.503,139.484 87.432,139.414 86.939,139.414 86.868,139.343 86.868,139.084 86.939,139.014 87.432,139.014 87.503,138.943 87.503,138.684 87.432,138.614 86.939,138.614 86.868,138.543 86.868,138.284 86.939,138.214 87.432,138.214 87.503,138.143 87.503,137.884 87.432,137.814 86.939,137.814 86.868,137.743 86.868,125.222 v1(90.297,121.793)
$1N30093: R28.2 U2.7 | length 59.1
  Top Layer w0.1: v1(84.996,147.828) 85.057,147.828 86.022,148.792 R28.2@86.233,148.792 ; U2.7@98.674,107.836 v1(98.674,108.839)
  Bottom Layer w0.1: v1(84.996,147.828) 84.328,147.16 84.328,146.916 84.399,146.845 84.511,146.845 84.582,146.774 84.582,146.516 84.511,146.445 84.399,146.445 84.328,146.374 84.328,146.116 84.399,146.045 84.511,146.045 84.582,145.974 84.582,145.716 84.511,145.645 84.399,145.645 84.328,145.574 84.328,145.316 84.399,145.245 84.511,145.245 84.582,145.174 84.582,144.916 84.511,144.845 84.399,144.845 84.328,144.774 84.328,144.516 84.399,144.445 84.511,144.445 84.582,144.374 84.582,144.116 84.511,144.045 84.399,144.045 84.328,143.974 84.328,143.716 84.399,143.645 84.511,143.645 84.582,143.574 84.582,143.316 84.511,143.245 84.399,143.245 84.328,143.174 84.328,142.916 84.399,142.845 84.511,142.845 84.582,142.774 84.582,142.516 84.511,142.445 84.399,142.445 84.328,142.374 84.328,142.116 84.399,142.045 84.511,142.045 84.582,141.974 84.582,141.716 84.511,141.645 84.399,141.645 84.328,141.574 84.328,141.324 84.399,141.253 84.638,141.253 84.709,141.182 84.709,140.924 84.638,140.853 84.399,140.853 84.328,140.782 84.328,140.524 84.399,140.453 84.638,140.453 84.709,140.382 84.709,140.124 84.638,140.053 84.399,140.053 84.328,139.982 84.328,110.109 85.598,108.839 v1(98.674,108.839)
$1N33205: P1.8 R35.1 | length 1.9
  Top Layer w0.1: R35.1@115.697,173.788 115.738,173.828 P1.8@115.738,175.655
$1N60668: C64.1 U11.6 | length 1.4
  Top Layer w0.1: U11.6@110.369,95.537 111.067,96.235 111.067,96.26 111.185,96.378 111.21,96.378 111.293,96.461 C64.1@111.379,96.461
$1N60669: C64.2 L3.1 U11.5 | length 3.6
  Top Layer w0.1: U11.5@110.369,94.587 L3.1@112.045,94.587 ; C64.2@111.379,96.071 111.379,95.253 L3.1@112.045,94.587 ; L3.1@112.144,94.488 L3.1@112.045,94.587
$1N60670: C65.1 R40.2 R41.1 U11.1 | length 8
  Top Layer w0.1: U11.1@107.669,95.537 108.425,95.537 109.229,94.733 R40.2@109.229,88.646
$1N63749: R43.1 USB2.A5 | length 6.1
  Top Layer w0.1: R43.1@97.908,90.17 98.035,90.043 v1(98.806,90.043) ; v1(102.382,91.186) USB2.A5@102.382,92.278
  Bottom Layer w0.1: v1(98.806,90.043) 101.239,90.043 v1(102.382,91.186)
$1N63772: R42.1 USB2.B5 | length 10.5
  Top Layer w0.1: R42.1@97.908,88.646 98.679,88.646 v1(98.806,88.773) ; USB2.B5@105.382,92.278 105.41,92.251 v1(105.41,91.313)
  Bottom Layer w0.1: v1(98.806,88.773) 99.568,89.535 105.156,89.535 105.184,89.563 105.184,91.087 v1(105.41,91.313)
$1N63825: R44.2 USB2.A4B9 USB2.B4A9 | length 12.3
  Top Layer w0.1: USB2.A4B9@101.232,92.278 101.473,92.037 v1(101.473,91.059) 101.912,90.62 105.733,90.62 105.995,90.882 105.995,92.241 USB2.B4A9@106.032,92.278 ; v1(102.362,94.361) 103.242,94.361 R44.2@103.378,94.497
  Bottom Layer w0.1: v1(101.473,91.059) 101.473,93.472 v1(102.362,94.361)
$1N64401: C69.2 L4.1 U12.5 | length 3.6
  Top Layer w0.1: C69.2@124.909,93.599 125.606,92.902 L4.1@125.606,91.821
  Top Layer w0.5: U12.5@124.032,91.821 L4.1@125.606,91.821
$1N64402: C69.1 U12.6 | length 1
  Top Layer w0.1: U12.6@124.032,92.771 124.519,93.258 C69.1@124.519,93.599
$1N64403: C70.1 R46.2 R47.1 U12.1 | length 10.6
  Top Layer w0.1: R46.2@119.752,87.63 121.22,87.63 C70.1@121.347,87.757 ; U12.1@121.332,92.771 121.393,92.71 121.579,92.71 122.084,92.205 122.084,90.487 121.347,89.75 C70.1@121.347,87.757 ; R47.1@124.281,86.995 122.109,86.995 C70.1@121.347,87.757